# Altium PCB MainBoard_Layout_V2.PcbDoc (part 1 of 4) (continued)
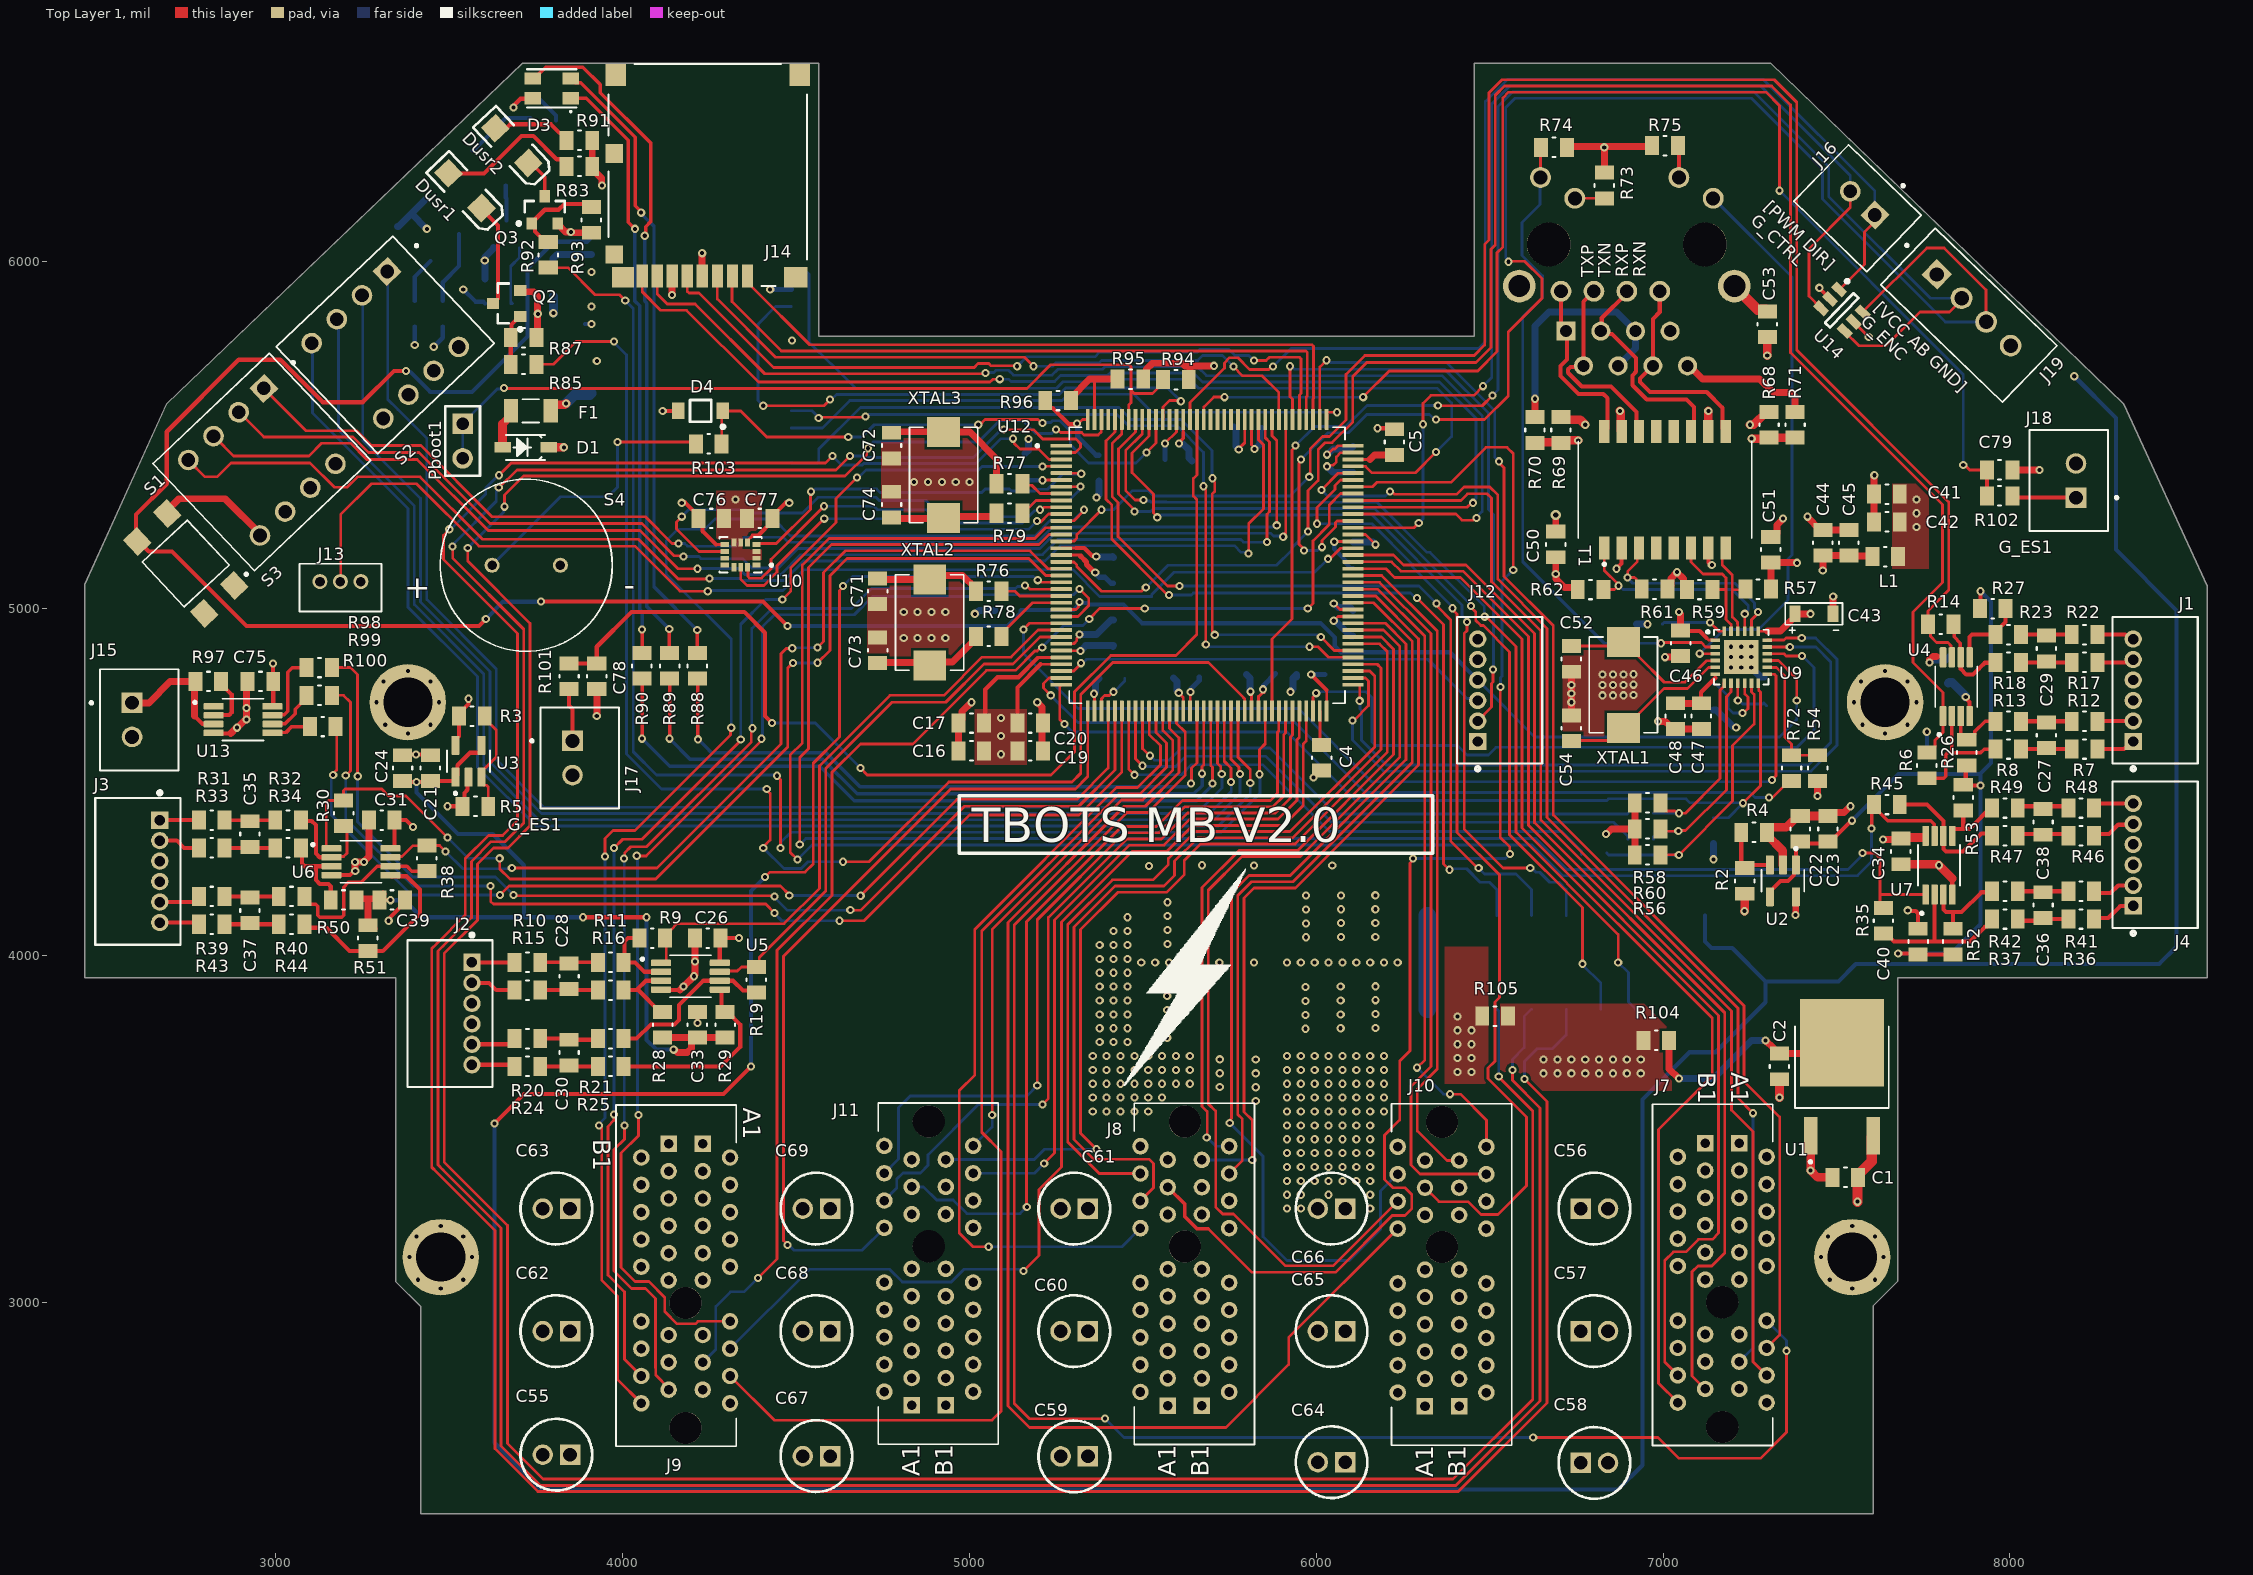
[diagram p0: Top Layer 1 view]
## Classes and differential pairs
component class U_Mainboard_Geneva_Interface: C78 C79 J16 J17 J18 J19 R101 R102 U14
component class U_Mainboard_ThermistorAmp: C75 J15 R97 R98 R99 R100 R? U13
component class U_Mainboard_Wifi_Interface: D4 J12 R103 S4
component class U_Mainboard_User_Interface: 133.5 220 *1 D3 Dled2 Dled3 Dusr1 Dusr2 J14 Q1 Q2 Q3 R81 R82 R83 R84 R85 R86 R87 R88 R89 R90 R91 R92 R93 S2 S3
component class U_MainBoard_MCU_Power: C1 C2 C3 C4 C5 C6 C7 C8 C9 C10 C11 C12 C13 C14 C15 C16 C17 C18 C19 C20 C80 D1 Dled1 F1 R1 R104 R105 U1
component class U_Mainboard_Debug_Interface: R80 U11
component class U_Mainboard_Breakbeam_Interface: J13
component class U_Mainboard_RMII_Interface: C41 C42 C43 C44 C45 C46 C47 C48 C49 C50 C51 C52 C53 C54 J5 L1 R54 R55 R56 R57 R58 R59 R60 R61 R62 R63 R64 R65 R66 R67 R68 R69 R70 R71 R72 R73 R74 R75 T1 U9 XTAL1
component class U_Mainboard_Power_Interface: J6
component class U_Mainboard_MCU_Func: C70 C71 C72 C73 C74 C76 C77 HW? R76 R77 R78 R79 S1 U10 XTAL2 XTAL3
component class U_MainBoard_MCU_Breakout: R94 R95 R96 U12
component class U_Mainboard_Motordriver_Interface: C55 C56 C57 C58 C59 C60 C61 C62 C63 C64 C65 C66 C67 C68 C69 HW? J7 J8 J9 J10 J11
component class U_Mainboard_Encoder_Interface: C21 C22 C23 C24 C25 C26 C27 C28 C29 C30 C31 C32 C33 C34 C35 C36 C37 C38 C39 C40 J1 J2 J3 J4 R2 R3 R4 R5 R6 R7 R8 R9 R10 R11 R12 R13 R14 R15 R16 R17 R18 R19 R20 R21 R22 R23 R24 R25 R26 R27 R28 R29 R30 R31 R32 R33 R34 R35 R36 R37 R38 R39 R40 R41 R42 R43 R44 R45 R46 R47 R48 R49 R50 R51 R52 R53 U2 U3 U4 U5 U6 U7
component class MainBoard_Top: Pboot1
differential pair TX: +TX_P -TX_N
differential pair RX: +RX_P -RX_N
differential pair TD: +TD_P -TD_N
differential pair RD: +RD_P -RD_N

## Components (designator, comment, footprint, x,y, rotation, side; value= is the part's Value field where it differs from the comment)
C1 "10uF 10V" 0805 7525.46,3359.88 r180 top value=10uF
C2 "10uF 10V" 0805 7335.46,3679.88 r270 top value=10uF
C3 "4.7uF" 0805 5415.46,5109.88 r270 bottom
C4 "10uF 10V" 0805 6015.46,4569.88 r270 top value=10uF
C5 "10uF 10V" 0805 6225.46,5479.88 r90 top value=10uF
C6 "100nF 50V" 0805 5625.46,4799.88 r0 bottom value=100nF
C7 "100nF 50V" 0805 6105.93,4957.88 r90 bottom value=100nF
C8 "100nF 50V" 0805 5410.64,4798.26 r0 bottom value=100nF
C9 "100nF 50V" 0805 5415.46,4929.88 r90 bottom value=100nF
C10 "100nF 50V" 0805 5805.46,5519.88 r180 bottom value=100nF
C11 "100nF 50V" 0805 5375.46,5417.88 r90 bottom value=100nF
C12 "100nF 50V" 0805 5595.46,5424.88 r180 bottom value=100nF
C13 "100nF 50V" 0805 5835.46,4809.88 r0 bottom value=100nF
C14 "100nF 50V" 0805 6105.93,5429.99 r90 bottom value=100nF
C15 "100nF 50V" 0805 5980.46,4809.88 r0 bottom value=100nF
C16 "1uF 50V" 0805 5005.46,4589.88 r0 top value=1uF
C17 "100nF 50V" 0805 5005.46,4669.88 r0 top value=100nF
C18 "100nF 50V" 0805 5155.46,5409.88 r270 bottom value=100nF
C19 "1uF 50V" 0805 5175.46,4589.88 r180 top value=1uF
C20 "100nF 50V" 0805 5175.46,4669.88 r180 top value=100nF
C21 "1uF 50V" 0805 3445.46,4539.88 r90 top value=1uF
C22 "1uF 50V" 0805 7395.46,4364.88 r90 top value=1uF
C23 "0.010uF" 0805 7475.46,4364.88 r90 top
C24 "0.010uF" 0805 3365.46,4539.88 r90 top
C25 "0.010uF" 0805 7825.46,4824.88 r270 bottom
C26 "0.010uF" 0805 4245.46,4049.88 r180 top
C27 "100nF 50V" 0805 8105.46,4634.88 r90 top value=100nF
C28 "100nF 50V" 0805 3845.46,3939.88 r270 top value=100nF
C29 "100nF 50V" 0805 8105.46,4884.88 r90 top value=100nF
C30 "100nF 50V" 0805 3845.46,3719.88 r270 top value=100nF
C31 "0.010uF" 0805 3305.46,4389.88 r180 top
C32 "1uF 50V" 0805 7760.46,4559.88 r90 bottom value=1uF
C33 "1uF 50V" 0805 4215.46,3799.88 r270 top value=1uF
C34 "0.010uF" 0805 7685.46,4299.88 r270 top
C35 "100nF 50V" 0805 2925.46,4349.88 r270 top value=100nF
C36 "100nF 50V" 0805 8095.46,4144.88 r90 top value=100nF
C37 "100nF 50V" 0805 2925.46,4129.88 r270 top value=100nF
C38 "100nF 50V" 0805 8095.46,4384.88 r90 top value=100nF
C39 "1uF 50V" 0805 3335.46,4159.88 r0 top value=1uF
C40 "1uF 50V" 0805 7735.46,4039.88 r90 top value=1uF
C41 "1uF 50V" 0805 7645.46,5329.88 r0 top value=1uF
C42 "100nF 50V" 0805 7645.46,5249.88 r0 top value=100nF
C43 "10uF 10V" "1206 Polarized" 7372.35,4953.38 r0 top value=10uF
C44 "100nF 50V" 0805 7460.46,5189.88 r270 top value=100nF
C45 "100nF 50V" 0805 7535.46,5189.88 r270 top value=100nF
C46 "100nF 50V" 0805 7050.46,4899.88 r270 top value=100nF
C47 "470pF" 0805 7110.46,4689.88 r90 top
C48 "1uF 50V" 0805 7035.46,4689.88 r90 top value=1uF
C49 "100nF 50V" 0805 7290.46,4764.88 r270 bottom value=100nF
C50 "100nF 50V" 0805 6690.46,5184.88 r270 top value=100nF
C51 "100nF 50V" 0805 7310.46,5169.88 r270 top value=100nF
C52 "30pF 25V" 0805 6735.46,4854.88 r90 top value=30pF
C53 "1000pF" 0805 7300.46,5819.88 r270 top
C54 "30pF 25V" 0805 6735.46,4654.88 r270 top value=30pF
C55 "CAP POL 0.1uF 100V" CAPPRD200W50D525H1250 3848.36,2560.39 r180 top value=0.10uF
C56 "CAP POL 0.1uF 100V" CAPPRD200W50D525H1250 6762.63,3269.88 r0 top value=0.10uF
C57 "CAP POL 0.1uF 100V" CAPPRD200W50D525H1250 6762.63,2916.61 r0 top value=0.10uF
C58 "CAP POL 0.1uF 100V" CAPPRD200W50D525H1250 6762.63,2536.69 r0 top value=0.10uF
C59 "CAP POL 0.1uF 100V" CAPPRD200W50D525H1250 5341.67,2555.39 r180 top value=0.10uF
C60 "CAP POL 0.1uF 100V" CAPPRD200W50D525H1250 5341.67,2916.61 r180 top value=0.10uF
C61 "CAP POL 0.1uF 100V" CAPPRD200W50D525H1250 5341.67,3269.88 r180 top value=0.10uF
C62 "CAP POL 0.1uF 100V" CAPPRD200W50D525H1250 3848.36,2916.61 r180 top value=0.10uF
C63 "CAP POL 0.1uF 100V" CAPPRD200W50D525H1250 3848.36,3269.88 r180 top value=0.10uF
C64 "CAP POL 0.1uF 100V" CAPPRD200W50D525H1250 6083.28,2538.76 r180 top value=0.10uF
C65 "CAP POL 0.1uF 100V" CAPPRD200W50D525H1250 6083.28,2916.61 r180 top value=0.10uF
C66 "CAP POL 0.1uF 100V" CAPPRD200W50D525H1250 6083.28,3269.88 r180 top value=0.10uF
C67 "CAP POL 0.1uF 100V" CAPPRD200W50D525H1250 4598.23,2556.24 r180 top value=0.10uF
C68 "CAP POL 0.1uF 100V" CAPPRD200W50D525H1250 4598.23,2916.61 r180 top value=0.10uF
C69 "CAP POL 0.1uF 100V" CAPPRD200W50D525H1250 4598.23,3269.88 r180 top value=0.10uF
C70 "100nF 50V" 0805 5110.46,4994.88 r0 bottom value=100nF
C71 "5.6uF" 0805 4735.46,5049.88 r270 top
C72 "5.1pF 630V" 0805 4775.46,5469.88 r270 top value=5.1pF
C73 "5.6uF" 0805 4735.46,4879.88 r90 top
C74 "5.1pF 630V" 0805 4775.46,5299.88 r90 top value=5.1pF
C75 "0.10uF" 0805 2955.46,4789.88 r180 top
C76 "100nF 50V" 0805 4255.46,5259.88 r180 top value=100nF
C77 "100nF 50V" 0805 4395.46,5259.88 r0 top value=100nF
C78 "0.1uF 25V" 0805 3925.46,4804.88 r270 top value=0.1uF
C79 "0.1uF 25V" 0805 7970.46,5399.88 r0 top value=0.1uF
C80 "100nF 50V" 0805 6105.93,5154.4 r90 bottom value=100nF
D1 "SM5817PL-TP" SOD-123 3720.46,5464.88 r180 top
D3 "LED RGB CLEAR 4SMD 3528" "LED 4pin 3.5 x 2.8" 3795.46,6499.88 r0 top
D4 "3V3 ZENER" ONSC-SOD-123-2-425-04_V 4224.83,5569.88 r180 top
Dled1 "LED2" 3.2X1.6X1.1 3480.46,6129.88 r133.5 bottom
Dled2 "LED2" 3.2X1.6X1.1 3615.46,6269.88 r313.5 bottom
Dled3 "LED2" 3.2X1.6X1.1 3398.67,6051.97 r133.5 bottom
Dusr1 "LED2" 3.2X1.6X1.1 3545.46,6204.88 r313.5 top
Dusr2 "LED2" 3.2X1.6X1.1 3680.46,6334.88 r313.5 top
F1 "Fuse 3A 1206" 1206 3735.46,5569.88 r180 top
J1 "1.5mm" "6POS JST" 8355.46,4616.77 r90 top
J2 "1.5mm" "6POS JST" 3565.46,3979.88 r270 top
J3 "1.5mm" "6POS JST" 2665.46,4389.88 r270 top
J4 "1.5mm" "6POS JST" 8355.46,4142.71 r90 top
J5 "CN J00-0045NL" "RJ45 J00-0045NL" 6895.46,6049.88 r180 bottom
J6 "0.1\" Header Female 34" SAMTEC-SSM-117-X-DV 6320.46,3979.88 r0 bottom locked
J7 "CN PCIE 36 TH" "CN PCIE 36 TH" 7170.46,2999.88 r270 top
J8 "CN PCIE 36 TH" "CN PCIE 36 TH" 5621.02,3160.39 r90 top
J9 "CN PCIE 36 TH" "CN PCIE 36 TH" 4181.72,2997.91 r270 top
J10 "CN PCIE 36 TH" "CN PCIE 36 TH" 6362.63,3158.76 r90 top
J11 "CN PCIE 36 TH" "CN PCIE 36 TH" 4882.58,3161.24 r90 top
J12 "1.5mm" "6POS JST" 6465.46,4616.77 r90 top
J13 "CN 3POS JST B3B-ZR" "CN 3POS JST B3B-ZR" 3186.41,5077.95 r0 top
J14 "CONN MICRO SD CARD PUSH-PUSH R/A" "SD Connector 5027740891" 4245.46,6249.88 r0 top
J15 "B2B-XH-A(LF)(SN)" JST_B2B-XH-A(LF)(SN) 2606.13,4679.06 r270 top
J16 "B2B-XH-A(LF)(SN)" JST_B2B-XH-A(LF)(SN) 7560.7,6154.19 r136 top
J17 "B2B-XH-A(LF)(SN)" JST_B2B-XH-A(LF)(SN) 3876.13,4569.09 r270 top
J18 "B2B-XH-A(LF)(SN)" JST_B2B-XH-A(LF)(SN) 8169.79,5369.09 r90 top
J19 "CN 4POS JST XH" JST_B4B-XH-A(LF)(SN) 7789.66,5963.25 r316 top
L1 "IND 100UH 50MA 4 OHM SMD" 0805 7640.46,5149.88 r180 top value=100uH
Pboot1 "Header 2" HDR1X2 3538.7,5533.11 r270 top
Q1 "BSS64LT1" ONSC-SOT-23-3-318-08_V 3665.46,6079.88 r90 bottom
Q2 "BSS64LT1" ONSC-SOT-23-3-318-08_V 3665.46,5879.88 r180 top
Q3 "BSS64LT1" ONSC-SOT-23-3-318-08_V 3775.46,6149.88 r90 top
R1 "182" 0805 3481.32,5850.74 r270 bottom
R2 "100k" 0805 7235.46,4214.88 r270 top
R3 "100k" 0805 3565.46,4689.88 r180 top
R4 "100k" 0805 7262.46,4354.88 r180 top
R5 "100k" 0805 3575.46,4429.88 r0 top
R6 "64.9k" 0805 7760.46,4547.88 r270 top
R7 "330" 0805 8215.46,4594.88 r0 top
R8 "100k" 0805 7995.46,4594.88 r0 top
R9 "64.9k" 0805 4085.46,4049.88 r180 top
R10 "330" 0805 3725.46,3979.88 r180 top
R11 "100k" 0805 3965.46,3979.88 r180 top
R12 "330" 0805 8215.46,4674.88 r0 top
R13 "100k" 0805 7995.46,4674.88 r0 top
R14 "64.9k" 0805 7800.46,4954.88 r0 top
R15 "330" 0805 3725.46,3899.88 r180 top
R16 "100k" 0805 3965.46,3899.88 r180 top
R17 "330" 0805 8215.46,4844.88 r0 top
R18 "100k" 0805 7995.46,4844.88 r0 top
R19 "64.9k" 0805 4385.46,3929.88 r270 top
R20 "330" 0805 3725.46,3759.88 r180 top
R21 "100k" 0805 3965.46,3759.88 r180 top
R22 "330" 0805 8215.46,4924.88 r0 top
R23 "100k" 0805 7995.46,4924.88 r0 top
R24 "330" 0805 3725.46,3679.88 r180 top
R25 "100k" 0805 3965.46,3679.88 r180 top
R26 "64.9k" 0805 7875.46,4584.88 r270 top
R27 "64.9k" 0805 7950.46,4999.88 r180 top
R28 "64.9k" 0805 4115.46,3799.88 r270 top
R29 "64.9k" 0805 4295.46,3799.88 r270 top
R30 "64.9k" 0805 3195.46,4409.88 r270 top
R31 "330" 0805 2815.46,4389.88 r180 top
R32 "100k" 0805 3035.46,4389.88 r180 top
R33 "330" 0805 2815.46,4309.88 r180 top
R34 "100k" 0805 3035.46,4309.88 r180 top
R35 "64.9k" 0805 7635.46,4099.88 r270 top
R36 "330" 0805 8205.46,4104.88 r0 top
R37 "100k" 0805 7985.46,4104.88 r0 top
R38 "64.9k" 0805 3435.46,4279.88 r270 top
R39 "330" 0805 2815.46,4169.88 r180 top
R40 "100k" 0805 3045.46,4169.88 r180 top
R41 "330" 0805 8205.46,4184.88 r0 top
R42 "100k" 0805 7985.46,4184.88 r0 top
R43 "330" 0805 2815.46,4089.88 r180 top
R44 "100k" 0805 3045.46,4089.88 r180 top
R45 "64.9k" 0805 7645.46,4434.88 r0 top
R46 "330" 0805 8205.46,4344.88 r0 top
R47 "100k" 0805 7985.46,4344.88 r0 top
R48 "330" 0805 8205.46,4424.88 r0 top
R49 "100k" 0805 7985.46,4424.88 r0 top
R50 "64.9k" 0805 3195.46,4159.88 r0 top
R51 "64.9k" 0805 3265.46,4049.88 r90 top
R52 "64.9k" 0805 7835.46,4039.88 r270 top
R53 "64.9k" 0805 7865.46,4454.88 r90 top
R54 "10k" 0805 7445.46,4539.88 r270 top
R55 "1.5k" 0805 7145.46,4359.88 r270 bottom
R56 "10k" 0805 6955.46,4289.88 r180 top
R57 "49.9" 0805 7274.15,5056.06 r180 top
R58 "10k" 0805 6955.46,4439.88 r180 top
R59 "49.9" 0805 7105.46,5054.88 r0 top
R60 "10k" 0805 6955.46,4364.88 r180 top
R61 "49.9" 0805 6975.55,5055.94 r180 top
R62 "49.9" 0805 6790.87,5054.88 r0 top
R63 "33" 0805 6935.46,4334.88 r180 bottom
R64 "33" 0805 6935.46,4409.88 r180 bottom
R65 "10k" 0805 7145.46,4744.88 r270 bottom
R66 "33" 0805 6800.46,4294.88 r180 bottom
R67 "12.1k" 0805 6960.46,4954.88 r0 bottom
R68 "75" 0805 7305.46,5529.88 r270 top
R69 "75" 0805 6705.46,5514.88 r270 top
R70 "75" 0805 6630.46,5514.88 r270 top
R71 "75" 0805 7380.46,5529.88 r270 top
R72 "33" 0805 7370.46,4539.88 r270 top
R73 "270" 0805 6830.46,6219.88 r90 top
R74 "10k" 0805 6685.46,6329.88 r0 top
R75 "270" 0805 7005.46,6334.88 r180 top
R76 "JUMPER" 0805 5055.46,5049.88 r0 top value=0
R77 "JUMPER" 0805 5115.46,5359.88 r0 top value=0
R78 "JUMPER" 0805 5055.46,4919.88 r0 top value=0
R79 "JUMPER" 0805 5115.46,5274.88 r0 top value=0
R80 "JUMPER" 0805 3800.46,5937.88 r90 bottom value=0
R81 "270" 0805 3770.46,6414.88 r0 bottom
R82 "4.7k" 0805 3400.46,5849.88 r270 bottom
R83 "270" 0805 3875.46,6274.88 r180 top
R84 "47k" 0805 3640.46,5879.88 r180 bottom
R85 "47" 0805 3714.39,5704.25 r0 top
R86 "100k" 0805 3640.46,5949.88 r180 bottom
R87 "100k" 0805 3714.39,5781.02 r0 top
R88 "270" 0805 4215.46,4834.88 r90 top
R89 "270" 0805 4135.46,4834.88 r90 top
R90 "330" 0805 4055.46,4834.88 r90 top
R91 "270" 0805 3875.46,6349.88 r180 top
R92 "47k" 0805 3785.46,6019.88 r270 top
R93 "100k" 0805 3909.81,6120.6 r270 top
R94 "10k" 0805 5595.46,5659.88 r0 top
R95 "10k" 0805 5463.97,5661.37 r0 top
R96 "10k" 0805 5255.46,5599.88 r180 top
R97 "7.68k" 0805 2805.46,4789.88 r180 top
R98 "JUMPER" 0805 3125.46,4829.88 r180 top value=0
R99 "JUMPER" 0805 3125.46,4749.88 r180 top value=0
R100 "JUMPER" 0805 3135.46,4659.88 r180 top value=0
R101 "JUMPER" 0805 3845.46,4804.88 r90 top value=0
R102 "JUMPER" 0805 7970.46,5324.88 r180 top value=0
R103 "2k" 0805 4248.46,5474.88 r0 top
R104 "JUMPER" 0805 6980.46,3754.88 r0 top value=0
R105 "JUMPER" 0805 6515.46,3824.88 r180 top value=0
S1 "SW PUSH NO SMD" TL3305 2740.46,5129.88 r223 top
S2 "DS02-254-1L-04BE" SW_DS02-254-1L-04BE 3315.46,5759.88 r223.5 top
S3 "DS02-254-1L-04BE" SW_DS02-254-1L-04BE 2959.91,5422.82 r223.5 top
S4 "BUZZER" PKM13EPYH4000-A0 3715.93,5122.24 r180 top
T1 "H1102NLT" TRANSFORMER 7005.46,5342.79 r90 top
U1 "ZLDO1117K33TC" "DPAK (TO-252)" 7515.46,3644.88 r0 top
U2 "OP AMP SINGLE" SOT95P280X145-5N 7345.46,4214.88 r270 top
U3 "OP AMP SINGLE" SOT95P280X145-5N 3555.46,4559.88 r90 top
U4 "OP AMP DUAL" 8-MSOP 7845.46,4774.88 r90 top
U5 "OP AMP DUAL" 8-MSOP 4195.46,3939.88 r0 top
U6 "OP AMP DUAL" 8-MSOP 3245.46,4269.88 r0 top
U7 "OP AMP DUAL" 8-MSOP 7795.46,4259.88 r90 top
U9 "LAN8742A-CZ-TR" "24-QFN (4x4)" 7225.46,4859.88 r0 top
U10 "LSM6DSLTR" LGA-14 4340.46,5154.88 r180 top
U11 "STLINK-V3MODS" STLINK-V3MODS 6408,10680.6 r180 bottom
U12 "STM32H743ZIT6" QFP50P2200X2200X160-144N 5685.46,5124.88 r0 top locked
U13 "MAX 6682" 8-MSOP 2905.46,4679.88 r0 top
U14 "USBLC6-4SC6" SOT23-6L 7515.46,5859.88 r316 top
XTAL1 "CRYSTAL 25.0000MHZ 8PF SMD" SMD-2 6885.46,4779.88 r90 top
XTAL2 "CRYSTAL 25.0000MHZ 8PF SMD" SMD-2 4885.46,4959.88 r90 top
XTAL3 "CRYSTAL 32.7680KHZ 12.5PF SMD" SMD-2 4925.46,5384.88 r90 top

## Footprints (in the part's own frame and the unit in brackets; to place one, negate y for a bottom-side part, rotate by r counter-clockwise, add the part's x,y. Pads: shape width x height; smd on the part's side, far side on the other; paste and mask are expansions set on the pad)
3.2X1.6X1.1 [mm]
  rect 1.5x1.5 smd: 1(-1.75,0) 2(1.75,0)
  silkscreen extent -2.9,-1.15 3.2,1.15
"6POS JST" [mil]
  rect 50x50 hole 30 mask+0: 1(0,0)
  round 50 hole 30 mask+0: 2(59.06,0) 3(118.11,0) 4(177.17,0) 5(236.22,0) 6(295.28,0)
  silkscreen extent -84,-186 359,60, body extent 0,0 10,10, height 10
8-MSOP [mm]
  rrect25% 1.47x0.48 smd: 1(-2.15,0.975) 2(-2.15,0.325) 3(-2.15,-0.325) 4(-2.15,-0.975) 5(2.15,-0.975) 6(2.15,-0.325) 7(2.15,0.325) 8(2.15,0.975)
  silkscreen extent -3.62,-1.54 1.5,1.54, body extent -2.55,-1.6 2.6,1.6, height 1.09
"24-QFN (4x4)" [mm]
  rect 0.71x0.27 smd: 1(-1.9,1.25) 2(-1.9,0.75) 3(-1.9,0.25) 4(-1.9,-0.25) 5(-1.9,-0.75) 6(-1.9,-1.25) 13(1.9,-1.25) 14(1.9,-0.75) 15(1.9,-0.25) 16(1.9,0.25) 17(1.9,0.75) 18(1.9,1.25)
  rect 0.27x0.71 smd: 7(-1.25,-1.9) 8(-0.75,-1.9) 9(-0.25,-1.9) 10(0.25,-1.9) 11(0.75,-1.9) 12(1.25,-1.9) 19(1.25,1.9) 20(0.75,1.9) 21(0.25,1.9) 22(-0.25,1.9) 23(-0.75,1.9) 24(-1.25,1.9)
  rect 2.5x2.5 smd: 25(0,0)
  silkscreen extent -2.55,-2 2,2, body extent -2.05,-2.04 2.05,2.05, height 1.4
0805 [mil]
  rect 40x55 smd: 1(-37,0) 2(37,0)
  silkscreen extent -4,-28 4,28, body extent -47,-28 47,28, height 24
1206 [mm]
  rect 1.05x1.72 smd: 1(-1.46,0) 2(1.46,0)
  silkscreen extent -0.62,-0.85 0.62,0.85
"1206 Polarized" [mm]
  rect 0.8x1.2 smd: 1(0.2,0.8) 2(3,0.8)
  silkscreen extent -0.51,-0.6 3.68,1.6
CAPPRD200W50D525H1250 [mm]
  rect 1.5x1.5 hole 1: 1(0,0)
  round 1.5 hole 1: 2(2,0)
  silkscreen extent -1.63,-2.62 3.62,2.62, body extent -1.75,-2.75 3.75,2.75, height 12.5
"CN 3POS JST B3B-ZR" [mm]
  round 1.1 hole 0.7: 1(-1.5,0) 2(0,0) 3(1.5,0)
  silkscreen extent -3,-2.2 3,1.3, body extent -3,-2.16 3,1.34, height 4.5
"CN PCIE 36 TH" [mm] "AMPHENOL_10018784-10210TLF"
  rect 1.208x1.208 hole 0.7: A1(-11.65,1.25) B1(-11.65,-1.25)
  round 1.208 hole 0.7: A2(-10.65,3.25) A3(-9.65,1.25) A4(-8.65,3.25) A5(-7.65,1.25) A6(-6.65,3.25) A7(-5.65,1.25) A8(-4.65,3.25) A9(-3.65,1.25) A10(-2.65,3.25) A11(-1.65,1.25) A12(1.35,3.25) A13(2.35,1.25) A14(3.35,3.25) A15(4.35,1.25) A16(5.35,3.25) A17(6.35,1.25) A18(7.35,3.25) B2(-10.65,-3.25) B3(-9.65,-1.25) B4(-8.65,-3.25) B5(-7.65,-1.25) B6(-6.65,-3.25) B7(-5.65,-1.25) B8(-4.65,-3.25) B9(-3.65,-1.25) B10(-2.65,-3.25) B11(-1.65,-1.25) B12(1.35,-3.25) B13(2.35,-1.25) B14(3.35,-3.25) B15(4.35,-1.25) B16(5.35,-3.25) B17(6.35,-1.25) B18(7.35,-3.25)
  round 2.35 hole 2.35 unplated: ""(0,0) ""(9.15,0)
  silkscreen extent -14.5,-5.1 10.5,3.7, body extent -14.6,-5.1 10.4,3.7, height 11
"DPAK (TO-252)" [mil]
  rect 38.58x107.87 smd: 1(-90,-165) 3(90,-165)
  rect 241.67x251.97 smd paste-157.48: 2(0,103)
  silkscreen extent -135,-244 135,150, body extent -128,-185 128,205, height 97
HDR1X2 [mm] "Connector; Header; 2 Position"
  rect 1.5x1.5 hole 0.9: 1(0,0)
  round 1.5 hole 0.9: 2(2.54,0)
  silkscreen extent -1.27,-1.27 3.81,1.27
JST_B2B-XH-A(LF)(SN) [mm]
  rect 1.508x1.508 hole 1: 1(-1.25,-0.525)
  round 1.508 hole 1: 2(1.25,-0.525)
  silkscreen extent -3.7,-3.6 3.7,2.88, body extent -3.7,-2.85 3.7,2.9, height 7.1
JST_B4B-XH-A(LF)(SN) [mm]
  rect 1.59x1.59 hole 1.06: 1(0,0)
  round 1.59 hole 1.06: 2(2.5,0) 3(5,0) 4(7.5,0)
  silkscreen extent -3.16,-3.4 9.95,2.35, body extent -2.45,-3.43 9.95,2.32, height 7
"LED 4pin 3.5 x 2.8" [mm] "LED 3 COLOR 3.5mm x 2.8mm"
  rect 1.2x0.9 smd: 1(1.4,-0.725) 2(-1.4,-0.725) 3(-1.4,0.725) 4(1.4,0.725)
  silkscreen extent -1.8,-1.7 1.8,1.4, body extent -1.75,-1.4 1.75,1.4, height 1.9
LGA-14 [mm]
  rect 0.61x0.35 smd: 1(-1.16,0.75) 2(-1.16,0.25) 3(-1.16,-0.25) 4(-1.16,-0.75) 8(1.16,-0.75) 9(1.16,-0.25) 10(1.16,0.25) 11(1.16,0.75)
  rect 0.35x0.61 smd: 5(-0.5,-0.91) 6(0,-0.91) 7(0.5,-0.91) 12(0.5,0.91) 13(0,0.91) 14(-0.5,0.91)
  silkscreen extent -2.35,-1.3 1.55,1.3
ONSC-SOD-123-2-425-04_V [mm] "SOD, 2-Leads, Body 2.69x1.6mm"
  rect 0.91x1.22 smd: 1(-1.635,0) 2(1.635,0)
  silkscreen extent -1.76,-0.8 0.78,1.28, body extent -1.35,-0.8 1.35,0.8, height 1.35
ONSC-SOT-23-3-318-08_V [mm] "SOT23, 3-Leads, Body 2.92x1.3mm, Pitch 0.95mm"
  rect 0.9x0.8 smd: 1(-1,0.95) 2(-1,-0.95) 3(1,0)
  silkscreen extent -1.12,-1.46 0.65,2.03, body extent -0.65,-1.46 0.65,1.46, height 1.11
PKM13EPYH4000-A0 [mm] "Piezo Buzzer"
  round 1.1 hole 0.7: N(-2.655,-0.067) P(2.345,-0.067)
  silkscreen extent -6.46,-6.37 6.14,6.23
QFP50P2200X2200X160-144N [mm] "STM32H743ZiT6"
  rrect25% 1.56x0.28 smd: 1(-10.68,8.75) 2(-10.68,8.25) 3(-10.68,7.75) 4(-10.68,7.25) 5(-10.68,6.75) 6(-10.68,6.25) 7(-10.68,5.75) 8(-10.68,5.25) 9(-10.68,4.75) 10(-10.68,4.25) 11(-10.68,3.75) 12(-10.68,3.25) 13(-10.68,2.75) 14(-10.68,2.25) 15(-10.68,1.75) 16(-10.68,1.25) 17(-10.68,0.75) 18(-10.68,0.25) 19(-10.68,-0.25) 20(-10.68,-0.75) 21(-10.68,-1.25) 22(-10.68,-1.75) 23(-10.68,-2.25) 24(-10.68,-2.75) 25(-10.68,-3.25) 26(-10.68,-3.75) 27(-10.68,-4.25) 28(-10.68,-4.75) 29(-10.68,-5.25) 30(-10.68,-5.75) 31(-10.68,-6.25) 32(-10.68,-6.75) 33(-10.68,-7.25) 34(-10.68,-7.75) 35(-10.68,-8.25) 36(-10.68,-8.75) 73(10.68,-8.75) 74(10.68,-8.25) 75(10.68,-7.75) 76(10.68,-7.25) 77(10.68,-6.75) 78(10.68,-6.25) 79(10.68,-5.75) 80(10.68,-5.25) 81(10.68,-4.75) 82(10.68,-4.25) 83(10.68,-3.75) 84(10.68,-3.25) 85(10.68,-2.75) 86(10.68,-2.25) 87(10.68,-1.75) 88(10.68,-1.25) 89(10.68,-0.75) 90(10.68,-0.25) 91(10.68,0.25) 92(10.68,0.75) 93(10.68,1.25) 94(10.68,1.75) 95(10.68,2.25) 96(10.68,2.75) 97(10.68,3.25) 98(10.68,3.75) 99(10.68,4.25) 100(10.68,4.75) 101(10.68,5.25) 102(10.68,5.75) 103(10.68,6.25) 104(10.68,6.75) 105(10.68,7.25) 106(10.68,7.75) 107(10.68,8.25) 108(10.68,8.75)